# KiCad board for_real_486_2.kicad_pcb
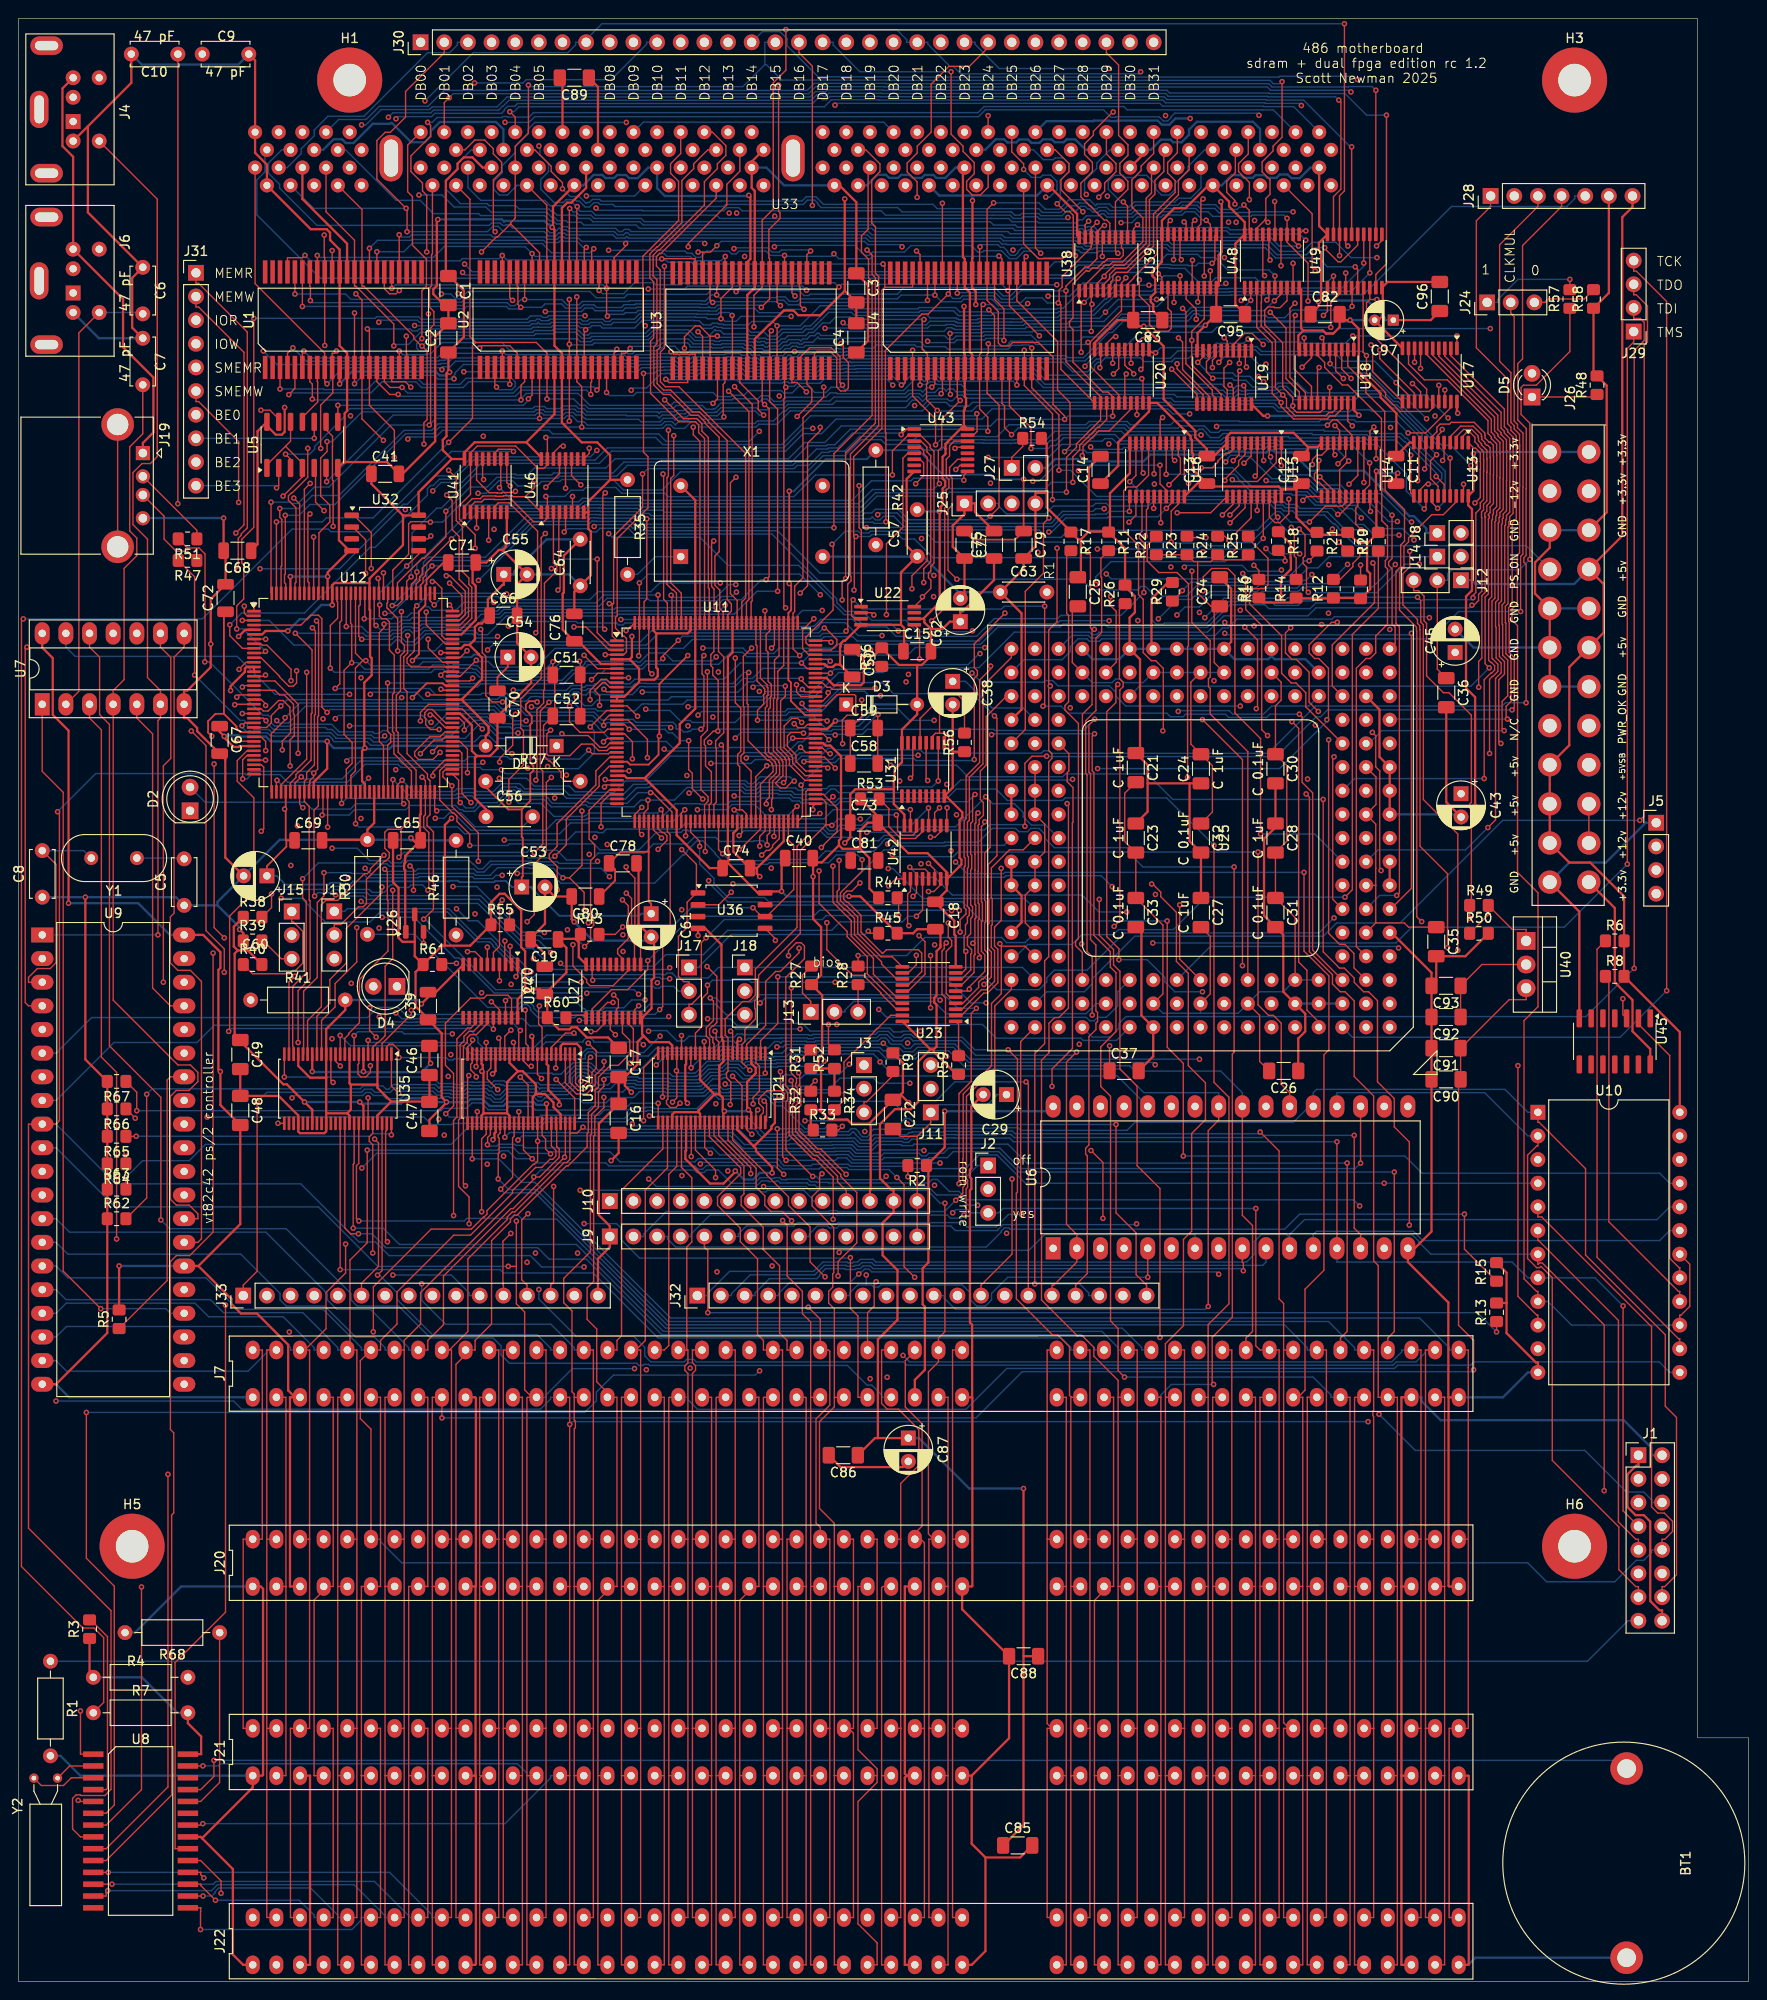
[diagram p0: board, top side]
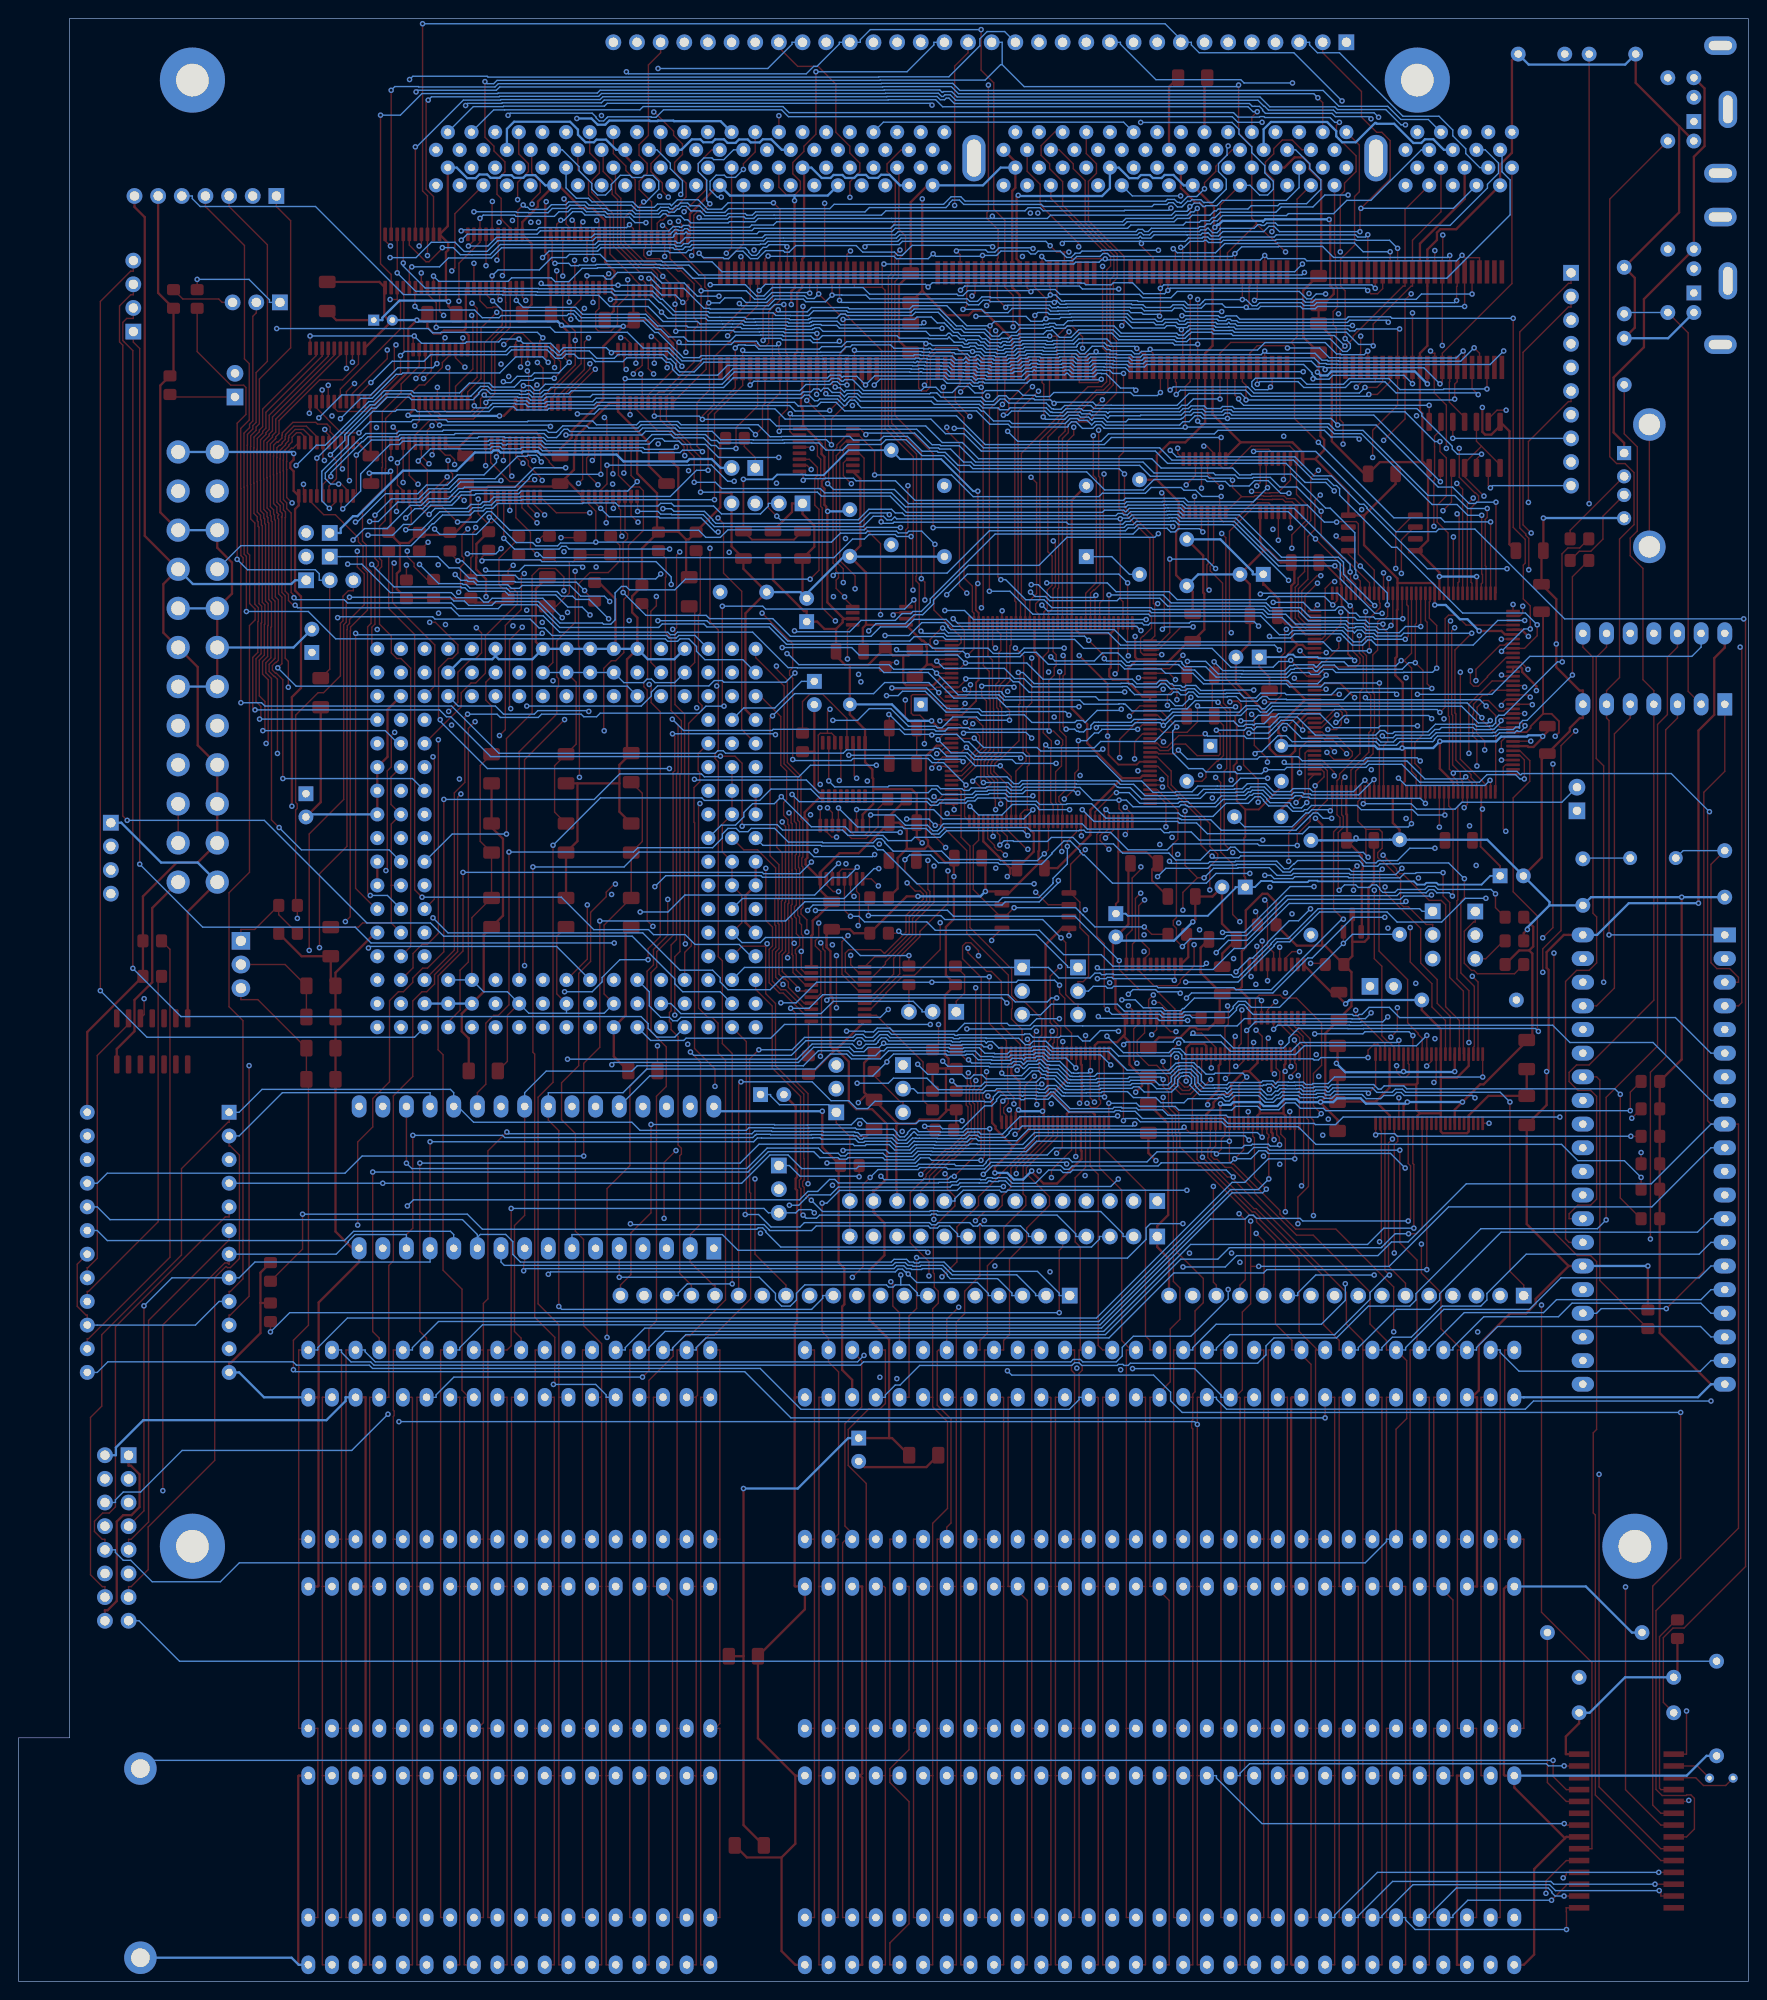
[diagram p1: board, bottom side, seen from below]

Outline 185.8 x 210.82 mm; copper layers: Top, In1.Cu, In2.Cu, Bottom. Coordinates in mm from the lower left corner of the outline.
Outline path: 0,210.82 180.34,210.82 180.34,26.16 185.8,26.16 185.8,0 0,0 0,210.82
Stack: Top 0.035mm / dielectric 0.1mm FR4 er 4.5 / In1.Cu 0.035mm / dielectric 1.24mm FR4 er 4.5 / In2.Cu 0.035mm / dielectric 0.1mm FR4 er 4.5 / Bottom 0.035mm

## Placement (name value [footprint] x y rotation side)
BT1  Battery_Cell  [cr2032_holder]  172.72 12.7 270 top
C1  C 0.1uF  [C_1206_3216Metric_Pad1.33x1.80mm_HandSolder]  46.16 181.61 270 top
C2  C 0.1uF  [C_1206_3216Metric_Pad1.33x1.80mm_HandSolder]  46.16 176.53 90 top
C3  C 0.1uF  [C_1206_3216Metric_Pad1.33x1.80mm_HandSolder]  89.98 181.9 270 top
C4  C 0.1uF  [C_1206_3216Metric_Pad1.33x1.80mm_HandSolder]  89.98 176.53 90 top
C5  47 pF  [C_Disc_D5.0mm_W2.5mm_P5.00mm]  17.78 115.57 90 top
C6  47 pF  [C_Disc_D5.0mm_W2.5mm_P5.00mm]  13.34 184.11 270 top
C7  47 pF  [C_Disc_D5.0mm_W2.5mm_P5.00mm]  13.34 176.49 270 top
C8  47 pF  [C_Disc_D5.0mm_W2.5mm_P5.00mm]  2.54 116.45 90 top
C9  47 pF  [C_Disc_D5.0mm_W2.5mm_P5.00mm]  24.73 207.01 180 top
C10  47 pF  [C_Disc_D5.0mm_W2.5mm_P5.00mm]  12.1 207.01 0 top
C11  C 0.1uF  [C_1206_3216Metric]  147.95 162.35 270 top
C12  C 0.1uF  [C_1206_3216Metric]  137.8 162.35 90 top
C13  C 0.1uF  [C_1206_3216Metric]  127.64 162.35 90 top
C14  C 0.1uF  [C_1206_3216Metric]  116.2 162.35 90 top
C15  0.1uF  [C_1206_3216Metric]  96.52 142.88 0 top
C16  0.1uF  [C_1206_3216Metric_Pad1.33x1.80mm_HandSolder]  64.45 92.7 270 top
C17  0.1uF  [C_1206_3216Metric_Pad1.33x1.80mm_HandSolder]  64.45 98.7 270 top
C18  C 0.1uF  [C_1206_3216Metric]  98.47 114.49 270 top
C19  C 0.1uF  [C_1206_3216Metric]  56.47 111.91 180 top
C20  C 0.1uF  [C_1206_3216Metric]  56.52 107.52 90 top
C21  C 1uF  [C_1206_3216Metric_Pad1.33x1.80mm_HandSolder]  120 130.37 270 top
C22  C 1uF  [C_1206_3216Metric_Pad1.33x1.80mm_HandSolder]  93.91 93.12 270 top
C23  C 1uF  [C_1206_3216Metric_Pad1.33x1.80mm_HandSolder]  120 122.81 270 top
C24  C 1uF  [C_1206_3216Metric_Pad1.33x1.80mm_HandSolder]  127 130.24 90 top
C25  C 1uF  [C_1206_3216Metric_Pad1.33x1.80mm_HandSolder]  113.77 149.26 270 top
C26  C 1uF  [C_1206_3216Metric_Pad1.33x1.80mm_HandSolder]  135.89 97.79 180 top
C27  C 1uF  [C_1206_3216Metric_Pad1.33x1.80mm_HandSolder]  127 114.81 270 top
C28  C 1uF  [C_1206_3216Metric_Pad1.33x1.80mm_HandSolder]  135 122.81 270 top
C29  C_Polarized  [CP_Radial_D5.0mm_P2.50mm]  106.11 95.25 180 top
C30  C 0.1uF  [C_1206_3216Metric_Pad1.33x1.80mm_HandSolder]  135 130.24 270 top
C31  C 0.1uF  [C_1206_3216Metric_Pad1.33x1.80mm_HandSolder]  135 114.81 270 top
C32  C 0.1uF  [C_1206_3216Metric_Pad1.33x1.80mm_HandSolder]  127 122.81 270 top
C33  C 0.1uF  [C_1206_3216Metric_Pad1.33x1.80mm_HandSolder]  120 114.81 270 top
C34  C 0.1uF  [C_1206_3216Metric_Pad1.33x1.80mm_HandSolder]  129.01 149.26 90 top
C35  C 0.1uF  [C_1206_3216Metric_Pad1.33x1.80mm_HandSolder]  152.27 111.67 270 top
C36  C 0.1uF  [C_1206_3216Metric_Pad1.33x1.80mm_HandSolder]  153.35 138.42 270 top
C37  C 0.1uF  [C_1206_3216Metric_Pad1.33x1.80mm_HandSolder]  118.74 97.79 0 top
C38  C_Polarized  [CP_Radial_D5.0mm_P2.50mm]  100.33 139.64 270 top
C39  C 0.1uF  [C_1206_3216Metric]  43.97 104.77 90 top
C40  C 0.1uF  [C_1206_3216Metric]  83.82 120.65 0 top
C41  C 0.1uF  [C_1206_3216Metric]  39.37 161.92 0 top
C43  C_Polarized  [CP_Radial_D5.0mm_P2.50mm]  154.94 127.57 270 top
C45  C_Polarized  [CP_Radial_D5.0mm_P2.50mm]  154.31 142.74 90 top
C46  0.1uF  [C_1206_3216Metric_Pad1.33x1.80mm_HandSolder]  44.13 98.92 90 top
C47  0.1uF  [C_1206_3216Metric_Pad1.33x1.80mm_HandSolder]  44.13 92.91 90 top
C48  0.1uF  [C_1206_3216Metric_Pad1.33x1.80mm_HandSolder]  23.81 93.55 270 top
C49  0.1uF  [C_1206_3216Metric_Pad1.33x1.80mm_HandSolder]  23.81 99.55 270 top
C50  0.1uF  [C_1206_3216Metric]  89.53 141.6 270 top
C51  C 10uF  [C_1206_3216Metric]  58.85 140.33 0 top
C52  SMD 0.1uF  [C_1206_3216Metric]  58.85 135.89 0 top
C53  C_Polarized  [CP_Radial_D5.0mm_P2.50mm]  54.04 117.54 0 top
C54  C_Polarized  [CP_Radial_D5.0mm_P2.50mm]  52.54 142.24 0 top
C55  C_Polarized  [CP_Radial_D5.0mm_P2.50mm]  52.11 151.13 0 top
C56  C 100nF  [C_Disc_D4.3mm_W1.9mm_P5.00mm]  50.2 125.09 0 top
C57  C 100nF  [C_Disc_D4.3mm_W1.9mm_P5.00mm]  96.52 153.07 90 top
C58  C 10uF  [C_1206_3216Metric]  90.8 130.81 0 top
C59  SMD 0.1uF  [C_1206_3216Metric]  90.8 134.62 0 top
C60  C_Polarized  [CP_Radial_D5.0mm_P2.50mm]  26.67 118.74 180 top
C61  C_Polarized  [CP_Radial_D5.0mm_P2.50mm]  67.94 114.68 270 top
C62  C_Polarized  [CP_Radial_D5.0mm_P2.50mm]  101.15 146.05 90 top
C63  C 100nF  [C_Disc_D4.3mm_W1.9mm_P5.00mm]  105.45 149.22 0 top
C64  C 100nF  [C_Disc_D4.3mm_W1.9mm_P5.00mm]  60.33 149.9 90 top
C65  C 0.1uF  [C_1206_3216Metric]  41.7 122.55 0 top
C66  C 0.1uF  [C_1206_3216Metric]  52.07 146.69 0 top
C67  C 1uF  [C_1206_3216Metric]  21.59 133.35 270 top
C68  C 1uF  [C_1206_3216Metric]  23.49 153.67 180 top
C69  C 0.1uF  [C_1206_3216Metric]  31.11 122.55 0 top
C70  C 0.1uF  [C_1206_3216Metric]  51.44 137.16 270 top
C71  C 1uF  [C_1206_3216Metric]  47.62 152.4 0 top
C72  C 1uF  [C_1206_3216Metric]  22.23 148.59 90 top
C73  C 0.1uF  [C_1206_3216Metric]  90.8 124.46 0 top
C74  C 0.1uF  [C_1206_3216Metric]  77.09 119.58 0 top
C75  C 1uF  [C_1206_3216Metric]  104.77 154.31 90 top
C76  C 1uF  [C_1206_3216Metric]  59.69 145.41 90 top
C77  C 0.1uF  [C_1206_3216Metric]  101.6 154.31 270 top
C78  C 0.1uF  [C_1206_3216Metric]  64.9 120.08 0 top
C79  C 1uF  [C_1206_3216Metric]  107.95 154.31 270 top
C80  C 1uF  [C_1206_3216Metric]  60.88 116.53 180 top
C81  C 0.1uF  [C_1206_3216Metric]  90.85 120.4 0 top
C82  0.1uF  [C_1206_3216Metric_Pad1.33x1.80mm_HandSolder]  140.33 179.07 0 top
C83  0.1uF  [C_1206_3216Metric_Pad1.33x1.80mm_HandSolder]  121.29 178.44 180 top
C85  0.1uF  [C_1206_3216Metric_Pad1.33x1.80mm_HandSolder]  107.32 14.6 0 top
C86  0.1uF  [C_1206_3216Metric_Pad1.33x1.80mm_HandSolder]  88.58 56.51 180 top
C87  C_Polarized  [CP_Radial_D5.0mm_P2.50mm]  95.57 58.36 270 top
C88  C 1uF  [C_1206_3216Metric_Pad1.33x1.80mm_HandSolder]  107.95 34.92 180 top
C89  C 1uF  [C_1206_3216Metric_Pad1.33x1.80mm_HandSolder]  59.69 204.47 180 top
C90  C 0.1uF  [C_1206_3216Metric_Pad1.33x1.80mm_HandSolder]  153.33 96.88 180 top
C91  C 1uF  [C_1206_3216Metric_Pad1.33x1.80mm_HandSolder]  153.33 100.23 180 top
C92  C 0.1uF  [C_1206_3216Metric_Pad1.33x1.80mm_HandSolder]  153.33 103.58 180 top
C93  C 1uF  [C_1206_3216Metric_Pad1.33x1.80mm_HandSolder]  153.33 106.93 180 top
C95  0.1uF  [C_1206_3216Metric_Pad1.33x1.80mm_HandSolder]  130.18 179.07 180 top
C96  0.1uF  [C_1206_3216Metric_Pad1.33x1.80mm_HandSolder]  152.65 180.97 90 top
C97  C_Polarized  [CP_Radial_D4.0mm_P2.00mm]  147.66 178.44 180 top
D1  D  [D_DO-34_SOD68_P7.62mm_Horizontal]  57.78 132.71 180 top
D2  LED  [LED_D5.0mm]  18.41 125.73 90 top
D3  D  [D_DO-34_SOD68_P7.62mm_Horizontal]  88.89 137.16 0 top
D4  LED  [LED_D5.0mm]  40.64 106.88 180 top
D5  LED  [LED_D3.0mm]  162.56 170.18 90 top
H1  MountingHole  [MountingHole_3.5mm_Pad]  35.56 204.22 0 top
H3  MountingHole  [MountingHole_3.5mm_Pad]  167.13 204.22 0 top
H5  MountingHole  [MountingHole_3.5mm_Pad]  12.19 46.74 0 top
H6  MountingHole  [MountingHole_3.5mm_Pad]  167.13 46.74 0 top
J1  Conn_02x08_Counter_Clockwise  [PinHeader_2x08_P2.54mm_Vertical]  173.99 56.51 0 top
J2  Conn_01x03  [PinHeader_1x03_P2.54mm_Vertical]  104.14 87.63 0 top
J3  Conn_01x03  [PinHeader_1x03_P2.54mm_Vertical]  90.8 98.42 0 top
J4  Mini-DIN-6  [connector_mini6din]  5.85 199.77 270 top
J5  Conn_01x04  [PinHeader_1x04_P2.54mm_Vertical]  175.89 124.45 0 top
J6  Mini-DIN-6  [connector_mini6din]  5.85 181.35 270 top
J7  Bus_ISA_16bit  [DIP-98_ISA]  106.43 65.28 0 top
J8  Conn_01x02  [PinHeader_1x02_P2.54mm_Vertical]  152.38 155.57 90 top
J9  Conn_01x14  [PinHeader_1x14_P2.54mm_Vertical]  63.5 80.01 90 top
J10  Conn_01x14  [PinHeader_1x14_P2.54mm_Vertical]  63.5 83.82 90 top
J11  Conn_01x03  [PinHeader_1x03_P2.54mm_Vertical]  97.98 93.34 180 top
J12  Conn_01x03  [PinHeader_1x03_P2.54mm_Vertical]  154.93 150.5 270 top
J13  Conn_01x03  [PinHeader_1x03_P2.54mm_Vertical]  85.09 104.14 90 top
J14  Conn_01x02  [PinHeader_1x02_P2.54mm_Vertical]  152.38 153.03 90 top
J15  Conn_01x03  [PinHeader_1x03_P2.54mm_Vertical]  29.34 114.92 0 top
J16  Conn_01x03  [PinHeader_1x03_P2.54mm_Vertical]  33.91 114.94 0 top
J17  Conn_01x03  [PinHeader_1x03_P2.54mm_Vertical]  72.01 108.91 0 top
J18  Conn_01x03  [PinHeader_1x03_P2.54mm_Vertical]  78.01 108.91 0 top
J19  USB_A  [USB_A_CONNFLY_DS1095-WNR0]  13.35 164.15 270 top
J20  Bus_ISA_16bit  [DIP-98_ISA]  106.43 44.96 0 top
J21  Bus_ISA_16bit  [DIP-98_ISA]  106.43 24.64 0 top
J22  Bus_ISA_16bit  [DIP-98_ISA]  106.43 4.32 0 top
J24  Conn_01x03  [PinHeader_1x03_P2.54mm_Vertical]  157.73 180.34 90 top
J25  Conn_01x04  [PinHeader_1x04_P2.54mm_Vertical]  101.6 158.75 90 top
J26  ATX-24  [24pinATX_newer]  167.67 152.87 90 top
J27  Conn_01x02  [PinHeader_1x02_P2.54mm_Vertical]  106.67 162.56 90 top
J28  Conn_01x07  [PinHeader_1x07_P2.54mm_Vertical]  158.12 191.77 90 top
J29  Conn_01x04  [PinHeader_1x04_P2.54mm_Vertical]  173.48 177.2 180 top
J30  Conn_01x32  [PinHeader_1x32_P2.54mm_Vertical]  43.18 208.28 90 top
J31  Conn_01x10  [PinHeader_1x10_P2.54mm_Vertical]  19.05 183.51 0 top
J32  Conn_01x20  [PinHeader_1x20_P2.54mm_Vertical]  72.9 73.66 90 top
J33  Conn_01x16  [PinHeader_1x16_P2.54mm_Vertical]  24.13 73.66 90 top
R1  3k  [R_Axial_DIN0207_L6.3mm_D2.5mm_P10.16mm_Horizontal]  3.42 34.39 270 top
R2  R 10k  [R_0805_2012Metric_Pad1.20x1.40mm_HandSolder]  96.52 87.63 180 top
R3  R 10k  [R_0805_2012Metric_Pad1.20x1.40mm_HandSolder]  7.62 37.83 90 top
R4  R 1k  [R_Axial_DIN0207_L6.3mm_D2.5mm_P10.16mm_Horizontal]  8.02 32.66 0 top
R5  R 10k  [R_0805_2012Metric_Pad1.20x1.40mm_HandSolder]  10.8 71.12 90 top
R6  R 1k  [R_0805_2012Metric_Pad1.20x1.40mm_HandSolder]  171.45 111.76 0 top
R7  R 1k  [R_Axial_DIN0207_L6.3mm_D2.5mm_P10.16mm_Horizontal]  8.02 28.85 0 top
R8  R 1k  [R_0805_2012Metric_Pad1.20x1.40mm_HandSolder]  171.45 107.95 0 top
R9  R 10k  [R_0805_2012Metric_Pad1.20x1.40mm_HandSolder]  93.91 98.73 270 top
R10  R 10k  [R_0805_2012Metric_Pad1.20x1.40mm_HandSolder]  144.14 149.52 90 top
R11  R 10k  [R_0805_2012Metric_Pad1.20x1.40mm_HandSolder]  117.08 154.67 270 top
R12  R 10k  [R_0805_2012Metric_Pad1.20x1.40mm_HandSolder]  141.22 149.59 90 top
R13  10k  [R_0805_2012Metric_Pad1.20x1.40mm_HandSolder]  158.75 71.87 90 top
R14  R 10k  [R_0805_2012Metric_Pad1.20x1.40mm_HandSolder]  137.22 149.59 90 top
R15  10k  [R_0805_2012Metric_Pad1.20x1.40mm_HandSolder]  158.75 76.2 90 top
R16  R 10k  [R_0805_2012Metric_Pad1.20x1.40mm_HandSolder]  133.22 149.59 90 top
R17  R 10K  [R_0805_2012Metric_Pad1.20x1.40mm_HandSolder]  113.03 154.67 270 top
R18  10k  [R_0805_2012Metric_Pad1.20x1.40mm_HandSolder]  135.31 154.71 270 top
R19  10k  [R_0805_2012Metric_Pad1.20x1.40mm_HandSolder]  146.05 154.64 90 top
R20  10k  [R_0805_2012Metric_Pad1.20x1.40mm_HandSolder]  142.76 154.64 270 top
R21  10k  [R_0805_2012Metric_Pad1.20x1.40mm_HandSolder]  139.47 154.64 270 top
R22  10k  [R_0805_2012Metric_Pad1.20x1.40mm_HandSolder]  122.21 154.23 90 top
R23  10k  [R_0805_2012Metric_Pad1.20x1.40mm_HandSolder]  125.5 154.23 90 top
R24  10k  [R_0805_2012Metric_Pad1.20x1.40mm_HandSolder]  128.79 154.23 90 top
R25  10k  [R_0805_2012Metric_Pad1.20x1.40mm_HandSolder]  132.08 154.23 90 top
R26  R 10k  [R_0805_2012Metric_Pad1.20x1.40mm_HandSolder]  118.85 148.99 90 top
R27  10k  [R_0805_2012Metric_Pad1.20x1.40mm_HandSolder]  85.17 108.06 90 top
R28  10k  [R_0805_2012Metric_Pad1.20x1.40mm_HandSolder]  90.17 108.06 90 top
R29  R 10k  [R_0805_2012Metric_Pad1.20x1.40mm_HandSolder]  123.93 149.26 90 top
R30  R 100k  [R_Axial_DIN0207_L6.3mm_D2.5mm_P10.16mm_Horizontal]  37.47 112.46 90 top
R31  R 10k  [R_0805_2012Metric_Pad1.20x1.40mm_HandSolder]  85.09 99.06 90 top
R32  R 10k  [R_0805_2012Metric_Pad1.20x1.40mm_HandSolder]  85.09 94.61 90 top
R33  R 10k  [R_0805_2012Metric_Pad1.20x1.40mm_HandSolder]  86.36 91.44 0 top
R34  R 10k  [R_0805_2012Metric_Pad1.20x1.40mm_HandSolder]  87.63 94.61 270 top
R35  R 1k  [R_Axial_DIN0207_L6.3mm_D2.5mm_P10.16mm_Horizontal]  65.41 161.29 270 top
R36  R  [R_0805_2012Metric_Pad1.20x1.40mm_HandSolder]  92.71 142.24 90 top
R37  R 100  [R_Axial_DIN0207_L6.3mm_D2.5mm_P10.16mm_Horizontal]  50.16 128.91 0 top
R38  R 10k  [R_0805_2012Metric_Pad1.20x1.40mm_HandSolder]  25.13 114.3 0 top
R39  R 10k  [R_0805_2012Metric_Pad1.20x1.40mm_HandSolder]  25.13 111.76 0 top
R40  R 10k  [R_0805_2012Metric_Pad1.20x1.40mm_HandSolder]  25.13 109.22 0 top
R41  R 2.2k  [R_Axial_DIN0207_L6.3mm_D2.5mm_P10.16mm_Horizontal]  24.92 105.41 0 top
R42  R 100  [R_Axial_DIN0207_L6.3mm_D2.5mm_P10.16mm_Horizontal]  92.08 164.46 270 top
R43  R 10k  [R_0805_2012Metric_Pad1.20x1.40mm_HandSolder]  61.34 112.46 0 top
R44  R 10k  [R_0805_2012Metric_Pad1.20x1.40mm_HandSolder]  93.37 116.39 0 top
R45  R 10k  [R_0805_2012Metric_Pad1.20x1.40mm_HandSolder]  93.37 112.58 0 top
R46  R 2.2k  [R_Axial_DIN0207_L6.3mm_D2.5mm_P10.16mm_Horizontal]  46.99 112.39 90 top
R47  R 33  [R_0805_2012Metric_Pad1.20x1.40mm_HandSolder]  18.14 152.62 180 top
R48  R 1k  [R_0805_2012Metric_Pad1.20x1.40mm_HandSolder]  169.55 171.45 90 top
R49  R  [R_0805_2012Metric_Pad1.20x1.40mm_HandSolder]  156.86 115.57 0 top
R50  R  [R_0805_2012Metric_Pad1.20x1.40mm_HandSolder]  156.86 112.57 0 top
R51  R 33  [R_0805_2012Metric_Pad1.20x1.40mm_HandSolder]  18.14 154.94 180 top
R52  R 10k  [R_0805_2012Metric_Pad1.20x1.40mm_HandSolder]  87.63 99.06 90 top
R53  10k  [R_0805_2012Metric_Pad1.20x1.40mm_HandSolder]  91.44 127 0 top
R54  R 1k  [R_0805_2012Metric_Pad1.20x1.40mm_HandSolder]  108.86 165.73 0 top
R55  R 10k  [R_0805_2012Metric_Pad1.20x1.40mm_HandSolder]  51.73 113.48 0 top
R56  10k  [R_0805_2012Metric_Pad1.20x1.40mm_HandSolder]  101.6 133.08 90 top
R57  R 10k  [R_0805_2012Metric_Pad1.20x1.40mm_HandSolder]  166.62 180.7 90 top
R58  R 10k  [R_0805_2012Metric_Pad1.20x1.40mm_HandSolder]  169.16 180.7 90 top
R59  R 10k  [R_0805_2012Metric_Pad1.20x1.40mm_HandSolder]  100.97 98.42 90 top
R60  R 10k  [R_0805_2012Metric_Pad1.20x1.40mm_HandSolder]  57.78 103.5 0 top
R61  R 10k  [R_0805_2012Metric_Pad1.20x1.40mm_HandSolder]  44.45 109.22 0 top
R62  R 10k  [R_0805_2012Metric_Pad1.20x1.40mm_HandSolder]  10.52 81.91 0 top
R63  R 10k  [R_0805_2012Metric_Pad1.20x1.40mm_HandSolder]  10.52 85.09 0 top
R64  R 10k  [R_0805_2012Metric_Pad1.20x1.40mm_HandSolder]  10.52 87.81 180 top
R65  R 10k  [R_0805_2012Metric_Pad1.20x1.40mm_HandSolder]  10.52 90.76 180 top
R66  R 10k  [R_0805_2012Metric_Pad1.20x1.40mm_HandSolder]  10.52 93.71 180 top
R67  R 10k  [R_0805_2012Metric_Pad1.20x1.40mm_HandSolder]  10.52 96.66 180 top
R68  R 1k  [R_Axial_DIN0207_L6.3mm_D2.5mm_P10.16mm_Horizontal]  21.59 37.46 180 top
U1  CY7C1049G30  [TSOP-44]  34.88 178.48 0 top
U2  CY7C1049G30  [TSOP-44]  57.95 178.48 0 top
U3  CY7C1049G30  [TSOP-44]  78.67 178.38 0 top
U4  CY7C1049G30  [TSOP-44]  102.02 178.35 0 top
U5  74LS32  [SO-14_3.9x8.65mm_P1.27mm]  30.48 165.03 90 top
U6  29F010-PDIP  [DIP-32_W15.24mm_LongPads]  111.12 78.74 90 top
U7  74LS04  [DIP-14_W7.62mm_Socket_LongPads]  2.53 137.17 90 top
U8  DS1501YZN+  [SOIC-BQ4845]  13.1 16.15 270 top
U9  HT6542B  [DIP-40_W15.24mm_LongPads]  2.54 112.4 0 top
U10  8254  [DIP-24_W15.24mm]  163.19 93.35 0 top
U11  ICE40HX4K-TQ144  [TQFP-144_20x20mm_P0.5mm]  74.93 135.25 0 top
U12  ICE40HX4K-TQ144  [TQFP-144_20x20mm_P0.5mm]  35.94 138.43 0 top
U13  74LS245  [TSSOP-20_4.4x6.5mm_P0.65mm]  152.79 162.42 270 top
U14  74LS245  [TSSOP-20_4.4x6.5mm_P0.65mm]  142.88 162.35 270 top
U15  74LS245  [TSSOP-20_4.4x6.5mm_P0.65mm]  132.71 162.35 270 top
U16  74LS245  [TSSOP-20_4.4x6.5mm_P0.65mm]  122.29 162.35 270 top
U17  74LS245  [TSSOP-20_4.4x6.5mm_P0.65mm]  151.57 172.54 270 top
U18  74LS245  [TSSOP-20_4.4x6.5mm_P0.65mm]  140.5 172.41 270 top
U19  74LS245  [TSSOP-20_4.4x6.5mm_P0.65mm]  129.5 172.28 270 top
U20  74LS245  [TSSOP-20_4.4x6.5mm_P0.65mm]  118.49 172.41 270 top
U21  74ALVC164245  [TSSOP-48_6.1x12.5mm_P0.5mm]  74.45 95.98 270 top
U22  LMK1C1103PWR  [TSSOP-8_4.4x3mm_P0.65mm]  93.34 146.69 0 top
U23  74LS245  [TSSOP-20_4.4x6.5mm_P0.65mm]  97.79 106.04 180 top
U24  74LS245  [TSSOP-20_4.4x6.5mm_P0.65mm]  50.67 106.37 270 top
U25  i486SX  [PGA168]  124.41 122.81 270 top
U26  LM809  [SOT-23]  42.55 113.66 90 top
U27  74LS245  [TSSOP-20_4.4x6.5mm_P0.65mm]  63.88 106.37 90 top
U31  74LS595  [TSSOP-16_4.4x5mm_P0.65mm]  97.16 130.17 90 top
U32  ~  [SOIC-8_5.275x5.275mm_P1.27mm]  39.37 155.57 0 top
U33  ~  [SDRAM_socket]  40.39 188.85 0 top
U34  74ALVC164245  [TSSOP-48_6.1x12.5mm_P0.5mm]  53.97 95.88 270 top
U35  74ALVC164245  [TSSOP-48_6.1x12.5mm_P0.5mm]  34.29 95.88 270 top
U36  ~  [SOIC-8_5.275x5.275mm_P1.27mm]  76.58 115 0 top
U38  74LS373  [TSSOP-20_4.4x6.5mm_P0.65mm]  116.84 184.46 90 top
U39  74LS373  [TSSOP-20_4.4x6.5mm_P0.65mm]  125.73 184.78 90 top
U40  LM317_TO-220  [TO-220-3_Vertical]  161.93 111.76 270 top
U41  74LS165  [TSSOP-16_4.4x5mm_P0.65mm]  50.16 160.65 90 top
U42  74LS595  [TSSOP-16_4.4x5mm_P0.65mm]  97.42 121.28 90 top
U43  74LS165  [TSSOP-16_4.4x5mm_P0.65mm]  99.06 164.46 0 top
U45  74LS08  [SO-14_3.9x8.65mm_P1.27mm]  171.45 100.96 270 top
U46  74LS165  [TSSOP-16_4.4x5mm_P0.65mm]  58.42 160.65 90 top
U48  74LS373  [TSSOP-20_4.4x6.5mm_P0.65mm]  134.62 184.78 90 top
U49  74LS373  [TSSOP-20_4.4x6.5mm_P0.65mm]  143.51 184.78 90 top
X1  ACO-xxxMHz-A  [Oscillator_DIP-14]  71.12 153.03 0 top
Y1  Crystal  [Crystal_HC18-U_Vertical]  12.7 120.66 180 top
Y2  Crystal  [Crystal_AT310_D3.0mm_L10.0mm_Horizontal]  1.64 21.83 0 top
